# KiCad board haptic display 8x8 aisler.kicad_pcb (continued)
## Routing (per net, layer and track width the routed paths; a pad name or vN(x,y) marks a point on that pad's centre or on a via; arc(x,y) is an arc through that point) (continued)
124.39,84.02 124.7,84.06 125,84.08 125.3,84.07 125.61,84.04 125.91,83.98 126.2,83.91 126.49,83.81 126.78,83.69 127.05,83.55 127.31,83.39 127.56,83.21 127.79,83.01 128.01,82.79 128.21,82.56 128.4,82.32 128.57,82.06 128.71,81.79 128.84,81.51 128.94,81.22 129.03,80.92 129.09,80.62 129.12,80.31 129.14,80 129.13,79.69 129.1,79.38 129.04,79.08 128.97,78.78 128.87,78.48 128.74,78.2 128.6,77.92 128.44,77.66 128.26,77.4 128.05,77.17 127.84,76.94 127.6,76.74 127.35,76.55 127.09,76.38 126.81,76.23 126.53,76.1 126.23,76 125.93,75.91 125.63,75.85 125.31,75.81 125,75.8 124.7,75.81 124.4,75.84 124.11,75.89 123.81,75.96 123.53,76.05 123.25,76.16 122.98,76.3 122.72,76.45 122.47,76.62 122.23,76.8 122.01,77.01 121.8,77.23 121.61,77.46 121.43,77.71 121.28,77.97 121.14,78.24 121.02,78.52 120.92,78.8 120.84,79.1 120.79,79.39 120.75,79.7 120.74,80 120.75,80.3 120.78,80.61 120.83,80.91 120.9,81.2 120.99,81.49 121.11,81.78 121.24,82.05 121.4,82.32 121.57,82.57 121.76,82.81 121.96,83.04 122.19,83.25 122.42,83.44 122.67,83.62 122.94,83.78 123.21,83.92 123.49,84.04 123.78,84.14 124.08,84.22 124.39,84.28 124.69,84.31 125,84.33 125.31,84.32 125.62,84.29 125.92,84.23 126.22,84.16 126.52,84.07 126.8,83.95 127.08,83.81 127.35,83.66 127.61,83.48 127.85,83.29 128.08,83.08 128.29,82.85 128.49,82.61 128.67,82.36 128.83,82.09 128.98,81.82 129.1,81.53 129.2,81.23 129.28,80.93 129.34,80.62 129.37,80.31 129.39,80 129.38,79.69 129.35,79.37 129.3,79.07 129.22,78.76 129.12,78.46 129.01,78.17 128.87,77.89 128.71,77.62 128.53,77.36 128.34,77.11 128.12,76.88 127.9,76.66 127.65,76.46 127.39,76.28 127.12,76.11 126.84,75.97 126.55,75.84 126.25,75.74 125.94,75.66 125.63,75.6 125.32,75.56 125,75.55 124.05,75.55 ; 124.59,63.98 124.63,63.97 125,63.6 125,63.55 124.79,63.56 124.59,63.6 124.39,63.67 124.2,63.76 124.03,63.88 123.88,64.03 123.75,64.19 123.64,64.38 123.56,64.58 123.51,64.79 123.49,65 123.5,65.22 123.54,65.43 123.61,65.64 123.71,65.83 123.84,66.01 123.99,66.17 124.16,66.31 124.35,66.42 124.56,66.5 124.78,66.55 125,66.58 125.22,66.56 125.45,66.52 125.66,66.45 125.86,66.34 126.05,66.21 126.22,66.05 126.36,65.87 126.47,65.67 126.56,65.46 126.62,65.23 126.64,65 126.63,64.77 126.58,64.54 126.51,64.31 126.4,64.1 126.26,63.91 126.09,63.74 125.91,63.59 125.7,63.47 125.48,63.38 125.24,63.32 125,63.3 124.78,63.31 124.56,63.35 124.34,63.41 124.14,63.51 123.95,63.63 123.78,63.78 123.62,63.94 123.49,64.13 123.39,64.33 123.31,64.55 123.26,64.77 123.24,65 123.25,65.23 123.29,65.46 123.36,65.68 123.46,65.89 123.58,66.09 123.73,66.27 123.9,66.43 124.1,66.56 124.31,66.67 124.53,66.75 124.76,66.8 125,66.83 125.24,66.81 125.48,66.77 125.7,66.7 125.92,66.6 126.13,66.47 126.31,66.31 126.48,66.13 126.62,65.93 126.73,65.72 126.81,65.49 126.87,65.25 126.89,65 126.88,64.75 126.83,64.51 126.76,64.27 126.65,64.05 126.52,63.84 126.36,63.64 126.17,63.47 125.96,63.33 125.74,63.21 125.5,63.13 125.25,63.07 125,63.05 124.76,63.06 124.53,63.1 124.3,63.16 124.08,63.26 123.88,63.38 123.69,63.52 123.52,63.68 123.36,63.87 123.24,64.07 123.13,64.29 123.06,64.52 123.01,64.76 122.99,65 123,65.24 123.04,65.48 123.1,65.72 123.2,65.94 123.32,66.16 123.47,66.35 123.64,66.53 123.83,66.69 124.04,66.82 124.27,66.93 124.51,67.01 124.75,67.06 125,67.08 125.25,67.06 125.5,67.02 125.74,66.95 125.97,66.85 126.19,66.73 126.4,66.57 126.58,66.4 126.74,66.2 126.88,65.98 126.99,65.75 127.07,65.51 127.12,65.26 127.14,65 127.13,64.74 127.08,64.49 127.01,64.24 126.91,64 126.78,63.77 126.62,63.56 126.44,63.37 126.24,63.21 126.01,63.07 125.78,62.96 125.52,62.87 125.26,62.82 125,62.8 124.75,62.81 124.51,62.85 124.27,62.91 124.04,63 123.82,63.12 123.61,63.26 123.42,63.42 123.25,63.61 123.1,63.81 122.98,64.03 122.88,64.26 122.8,64.5 122.76,64.75 122.74,65 122.75,65.25 122.79,65.51 122.85,65.75 122.95,65.99 123.07,66.22 123.21,66.43 123.38,66.62 123.57,66.8 123.77,66.95 124,67.08 124.24,67.18 124.48,67.26 124.74,67.31 125,67.33 125.26,67.31 125.52,67.28 125.77,67.21 126.02,67.11 126.25,66.99 126.47,66.84 126.67,66.67 126.85,66.47 127,66.26 127.13,66.03 127.24,65.78 127.32,65.53 127.37,65.27 127.39,65 127.38,64.73 127.34,64.47 127.27,64.21 127.17,63.96 127.04,63.72 126.89,63.49 126.71,63.29 126.51,63.11 126.29,62.94 126.06,62.81 125.8,62.7 125.54,62.62 125.27,62.57 125,62.55 124.74,62.56 124.49,62.6 124.24,62.66 124,62.75 123.76,62.86 123.55,63 123.34,63.16 123.15,63.34 122.99,63.54 122.84,63.75 122.72,63.98 122.62,64.23 122.55,64.48 122.51,64.74 122.49,65 122.5,65.26 122.53,65.52 122.6,65.78 122.69,66.03 122.81,66.27 122.95,66.49 123.11,66.7 123.3,66.89 123.5,67.06 123.72,67.21 123.96,67.34 124.21,67.44 124.47,67.51 124.73,67.56 125,67.58 125.27,67.57 125.54,67.53 125.8,67.46 126.05,67.37 126.3,67.25 126.53,67.1 126.74,66.94 126.94,66.75 127.11,66.54 127.27,66.31 127.39,66.07 127.5,65.81 127.57,65.55 127.62,65.28 127.64,65 127.63,64.72 127.59,64.45 127.52,64.18 127.42,63.92 127.3,63.67 127.15,63.44 126.98,63.22 126.79,63.02 126.57,62.84 126.34,62.68 126.09,62.55 125.83,62.44 125.56,62.37 125.28,62.32 125,62.3 124.73,62.31 124.47,62.34 124.21,62.41 123.96,62.49 123.72,62.6 123.49,62.74 123.27,62.89 123.07,63.07 122.89,63.26 122.72,63.48 122.58,63.71 122.46,63.95 122.37,64.2 122.3,64.46 122.25,64.73 122.24,65 122.25,65.27 122.28,65.54 122.35,65.81 122.43,66.06 122.55,66.31 122.68,66.55 122.84,66.77 123.02,66.98 123.23,67.16 123.44,67.33 123.68,67.47 123.92,67.6 124.18,67.69 124.45,67.76 124.72,67.81 125,67.83 125.28,67.82 125.55,67.78 125.82,67.71 126.09,67.62 126.34,67.51 126.58,67.37 126.81,67.2 127.02,67.02 127.21,66.81 127.38,66.59 127.53,66.35 127.65,66.1 127.75,65.83 127.82,65.56 127.87,65.28 127.89,65 127.88,64.72 127.84,64.44 127.77,64.16 127.68,63.89 127.56,63.63 127.42,63.38 127.25,63.15 127.06,62.94 126.85,62.74 126.63,62.57 126.38,62.42 126.12,62.29 125.85,62.19 125.57,62.11 125.29,62.07 125,62.05 124.73,62.06 124.46,62.09 124.19,62.15 123.93,62.24 123.68,62.34 123.44,62.47 123.21,62.63 122.99,62.8 122.8,62.99 122.62,63.2 122.46,63.43 122.32,63.67 122.2,63.92 122.11,64.18 122.05,64.45 122,64.72 121.99,65 122,65.28 122.03,65.55 122.09,65.83 122.18,66.09 122.29,66.35 122.42,66.6 122.58,66.83 122.75,67.05 122.95,67.25 123.16,67.43 123.39,67.6 123.64,67.74 123.89,67.85 124.16,67.95 124.44,68.02 124.72,68.06 125,68.08 125.28,68.07 125.57,68.03 125.84,67.97 126.12,67.88 126.38,67.77 126.63,67.63 126.87,67.47 127.09,67.29 127.3,67.09 127.48,66.88 127.65,66.64 127.79,66.39 127.91,66.13 128.01,65.86 128.08,65.58 128.12,65.29 128.14,65 128.13,64.71 128.09,64.42 128.03,64.14 127.94,63.86 127.83,63.59 127.69,63.34 127.52,63.09 127.34,62.87 127.14,62.66 126.91,62.47 126.67,62.3 126.42,62.15 126.15,62.03 125.87,61.93 125.59,61.86 125.29,61.82 125,61.8 124.72,61.81 124.44,61.84 124.17,61.9 123.9,61.98 123.64,62.08 123.39,62.21 123.15,62.36 122.93,62.53 122.72,62.72 122.52,62.92 122.35,63.14 122.19,63.38 122.06,63.63 121.95,63.89 121.86,64.16 121.79,64.43 121.75,64.72 121.74,65 121.75,65.28 121.78,65.57 121.84,65.85 121.92,66.12 122.03,66.39 122.16,66.64 122.31,66.89 122.48,67.11 122.67,67.33 122.88,67.53 123.11,67.7 123.35,67.86 123.6,68 123.87,68.11 124.14,68.2 124.42,68.27 124.71,68.31 125,68.33 125.29,68.32 125.58,68.28 125.86,68.22 126.14,68.14 126.41,68.03 126.67,67.9 126.92,67.74 127.16,67.57 127.37,67.37 127.57,67.16 127.75,66.93 127.92,66.68 128.05,66.42 128.17,66.15 128.26,65.87 128.33,65.59 128.37,65.29 128.39,65 128.38,64.7 128.34,64.41 128.28,64.12 128.2,63.84 128.09,63.56 127.95,63.3 127.79,63.04 127.62,62.8 127.42,62.58 127.2,62.38 126.96,62.19 126.71,62.03 126.45,61.89 126.18,61.77 125.89,61.68 125.6,61.61 125.3,61.57 125,61.55 124.71,61.56 124.43,61.59 124.15,61.65 123.88,61.72 123.61,61.83 123.35,61.95 123.1,62.09 122.86,62.26 122.64,62.44 122.44,62.64 122.25,62.86 122.08,63.09 121.93,63.34 121.8,63.6 121.69,63.86 121.6,64.14 121.54,64.42 121.5,64.71 121.49,65 121.5,65.29 121.53,65.58 121.59,65.86 121.67,66.14 121.77,66.42 121.89,66.68 122.04,66.93 122.21,67.17 122.39,67.4 122.6,67.61 122.82,67.8 123.06,67.97 123.31,68.13 123.57,68.26 123.84,68.37 124.12,68.46 124.41,68.52 124.71,68.56 125,68.58 125.3,68.57 125.59,68.53 125.88,68.48 126.17,68.39 126.44,68.29 126.71,68.16 126.97,68.01 127.21,67.84 127.44,67.65 127.65,67.44 127.85,67.22 128.03,66.98 128.18,66.72 128.32,66.45 128.43,66.18 128.52,65.89 128.58,65.6 128.62,65.3 128.64,65 128.63,64.7 128.59,64.4 128.54,64.1 128.45,63.81 128.35,63.53 128.22,63.26 128.06,63 127.89,62.75 127.7,62.52 127.49,62.3 127.26,62.1 127.01,61.92 126.75,61.76 126.48,61.63 126.2,61.51 125.91,61.42 125.61,61.36 125.31,61.32 125,61.3 124.71,61.31 124.42,61.34 124.13,61.39 123.85,61.47 123.58,61.57 123.31,61.69 123.06,61.83 122.81,61.99 122.58,62.17 122.36,62.36 122.16,62.57 121.98,62.8 121.81,63.05 121.66,63.3 121.54,63.57 121.43,63.84 121.35,64.12 121.29,64.41 121.25,64.71 121.24,65 121.25,65.3 121.28,65.59 121.33,65.88 121.41,66.17 121.51,66.45 121.63,66.72 121.77,66.98 121.94,67.23 122.12,67.46 122.32,67.68 122.53,67.89 122.77,68.07 123.01,68.24 123.27,68.39 123.54,68.52 123.82,68.63 124.11,68.71 124.4,68.77 124.7,68.81 125,68.83 125.3,68.82 125.6,68.78 125.9,68.73 126.19,68.65 126.47,68.55 126.75,68.42 127.01,68.28 127.26,68.11 127.5,67.93 127.73,67.73 127.93,67.51 128.12,67.27 128.3,67.02 128.45,66.76 128.58,66.48 128.69,66.2 128.77,65.91 128.83,65.61 128.87,65.3 128.89,65 128.88,64.69 128.85,64.39 128.79,64.09 128.71,63.79 128.61,63.51 128.48,63.23 128.33,62.96 128.17,62.7 127.98,62.46 127.77,62.23 127.55,62.02 127.31,61.82 127.05,61.65 126.78,61.5 126.51,61.37 126.22,61.26 125.92,61.17 125.62,61.1 125.31,61.07 125,61.05 124.7,61.06 124.41,61.09 124.12,61.14 123.83,61.21 123.55,61.31 123.28,61.43 123.01,61.56 122.76,61.72 122.52,61.89 122.29,62.08 122.08,62.29 121.88,62.51 121.7,62.75 121.54,63 121.4,63.27 121.28,63.54 121.18,63.82 121.1,64.11 121.04,64.4 121,64.7 120.99,65 121,65.3 121.03,65.6 121.08,65.89 121.15,66.19 121.25,66.47 121.37,66.75 121.51,67.02 121.67,67.27 121.84,67.52 122.04,67.75 122.25,67.97 122.48,68.17 122.72,68.35 122.97,68.51 123.24,68.66 123.52,68.78 123.8,68.88 124.1,68.96 124.39,69.02 124.7,69.06 125,69.08 125.3,69.07 125.61,69.04 125.91,68.98 126.2,68.91 126.49,68.81 126.78,68.69 127.05,68.55 127.31,68.39 127.56,68.21 127.79,68.01 128.01,67.79 128.21,67.56 128.4,67.32 128.57,67.06 128.71,66.79 128.84,66.51 128.94,66.22 129.03,65.92 129.09,65.62 129.12,65.31 129.14,65 129.13,64.69 129.1,64.38 129.04,64.08 128.97,63.78 128.87,63.48 128.74,63.2 128.6,62.92 128.44,62.66 128.26,62.4 128.05,62.17 127.84,61.94 127.6,61.74 127.35,61.55 127.09,61.38 126.81,61.23 126.53,61.1 126.23,61 125.93,60.91 125.63,60.85 125.31,60.81 125,60.8 124.7,60.81 124.4,60.84 124.11,60.89 123.81,60.96 123.53,61.05 123.25,61.16 122.98,61.3 122.72,61.45 122.47,61.62 122.23,61.8 122.01,62.01 121.8,62.23 121.61,62.46 121.43,62.71 121.28,62.97 121.14,63.24 121.02,63.52 120.92,63.8 120.84,64.1 120.79,64.39 120.75,64.7 120.74,65 120.75,65.3 120.78,65.61 120.83,65.91 120.9,66.2 120.99,66.49 121.11,66.78 121.24,67.05 121.4,67.32 121.57,67.57 121.76,67.81 121.96,68.04 122.19,68.25 122.42,68.44 122.67,68.62 122.94,68.78 123.21,68.92 123.49,69.04 123.78,69.14 124.08,69.22 124.39,69.28 124.69,69.31 125,69.33 125.31,69.32 125.62,69.29 125.92,69.23 126.22,69.16 126.52,69.07 126.8,68.95 127.08,68.81 127.35,68.66 127.61,68.48 127.85,68.29 128.08,68.08 128.29,67.85 128.49,67.61 128.67,67.36 128.83,67.09 128.98,66.82 129.1,66.53 129.2,66.23 129.28,65.93 129.34,65.62 129.37,65.31 129.39,65 129.38,64.69 129.35,64.37 129.3,64.07 129.22,63.76 129.12,63.46 129.01,63.17 128.87,62.89 128.71,62.62 128.53,62.36 128.34,62.11 128.12,61.88 127.9,61.66 127.65,61.46 127.39,61.28 127.12,61.11 126.84,60.97 126.55,60.84 126.25,60.74 125.94,60.66 125.63,60.6 125.32,60.56 125,60.55 124.05,60.55 ; 124.59,48.98 124.63,48.97 125,48.6 125,48.55 124.79,48.56 124.59,48.6 124.39,48.67 124.2,48.76 124.03,48.88 123.88,49.03 123.75,49.19 123.64,49.38 123.56,49.58 123.51,49.79 123.49,50 123.5,50.22 123.54,50.43 123.61,50.64 123.71,50.83 123.84,51.01 123.99,51.17 124.16,51.31 124.35,51.42 124.56,51.5 124.78,51.55 125,51.58 125.22,51.56 125.45,51.52 125.66,51.45 125.86,51.34 126.05,51.21 126.22,51.05 126.36,50.87 126.47,50.67 126.56,50.46 126.62,50.23 126.64,50 126.63,49.77 126.58,49.54 126.51,49.31 126.4,49.1 126.26,48.91 126.09,48.74 125.91,48.59 125.7,48.47 125.48,48.38 125.24,48.32 125,48.3 124.78,48.31 124.56,48.35 124.34,48.41 124.14,48.51 123.95,48.63 123.78,48.78 123.62,48.94 123.49,49.13 123.39,49.33 123.31,49.55 123.26,49.77 123.24,50 123.25,50.23 123.29,50.46 123.36,50.68 123.46,50.89 123.58,51.09 123.73,51.27 123.9,51.43 124.1,51.56 124.31,51.67 124.53,51.75 124.76,51.8 125,51.83 125.24,51.81 125.48,51.77 125.7,51.7 125.92,51.6 126.13,51.47 126.31,51.31 126.48,51.13 126.62,50.93 126.73,50.72 126.81,50.49 126.87,50.25 126.89,50 126.88,49.75 126.83,49.51 126.76,49.27 126.65,49.05 126.52,48.84 126.36,48.64 126.17,48.47 125.96,48.33 125.74,48.21 125.5,48.13 125.25,48.07 125,48.05 124.76,48.06 124.53,48.1 124.3,48.16 124.08,48.26 123.88,48.38 123.69,48.52 123.52,48.68 123.36,48.87 123.24,49.07 123.13,49.29 123.06,49.52 123.01,49.76 122.99,50 123,50.24 123.04,50.48 123.1,50.72 123.2,50.94 123.32,51.16 123.47,51.35 123.64,51.53 123.83,51.69 124.04,51.82 124.27,51.93 124.51,52.01 124.75,52.06 125,52.08 125.25,52.06 125.5,52.02 125.74,51.95 125.97,51.85 126.19,51.73 126.4,51.57 126.58,51.4 126.74,51.2 126.88,50.98 126.99,50.75 127.07,50.51 127.12,50.26 127.14,50 127.13,49.74 127.08,49.49 127.01,49.24 126.91,49 126.78,48.77 126.62,48.56 126.44,48.37 126.24,48.21 126.01,48.07 125.78,47.96 125.52,47.87 125.26,47.82 125,47.8 124.75,47.81 124.51,47.85 124.27,47.91 124.04,48 123.82,48.12 123.61,48.26 123.42,48.42 123.25,48.61 123.1,48.81 122.98,49.03 122.88,49.26 122.8,49.5 122.76,49.75 122.74,50 122.75,50.25 122.79,50.51 122.85,50.75 122.95,50.99 123.07,51.22 123.21,51.43 123.38,51.62 123.57,51.8 123.77,51.95 124,52.08 124.24,52.18 124.48,52.26 124.74,52.31 125,52.33 125.26,52.31 125.52,52.28 125.77,52.21 126.02,52.11 126.25,51.99 126.47,51.84 126.67,51.67 126.85,51.47 127,51.26 127.13,51.03 127.24,50.78 127.32,50.53 127.37,50.27 127.39,50 127.38,49.73 127.34,49.47 127.27,49.21 127.17,48.96 127.04,48.72 126.89,48.49 126.71,48.29 126.51,48.11 126.29,47.94 126.06,47.81 125.8,47.7 125.54,47.62 125.27,47.57 125,47.55 124.74,47.56 124.49,47.6 124.24,47.66 124,47.75 123.76,47.86 123.55,48 123.34,48.16 123.15,48.34 122.99,48.54 122.84,48.75 122.72,48.98 122.62,49.23 122.55,49.48 122.51,49.74 122.49,50 122.5,50.26 122.53,50.52 122.6,50.78 122.69,51.03 122.81,51.27 122.95,51.49 123.11,51.7 123.3,51.89 123.5,52.06 123.72,52.21 123.96,52.34 124.21,52.44 124.47,52.51 124.73,52.56 125,52.58 125.27,52.57 125.54,52.53 125.8,52.46 126.05,52.37 126.3,52.25 126.53,52.1 126.74,51.94 126.94,51.75 127.11,51.54 127.27,51.31 127.39,51.07 127.5,50.81 127.57,50.55 127.62,50.28 127.64,50 127.63,49.72 127.59,49.45 127.52,49.18 127.42,48.92 127.3,48.67 127.15,48.44 126.98,48.22 126.79,48.02 126.57,47.84 126.34,47.68 126.09,47.55 125.83,47.44 125.56,47.37 125.28,47.32 125,47.3 124.73,47.31 124.47,47.34 124.21,47.41 123.96,47.49 123.72,47.6 123.49,47.74 123.27,47.89 123.07,48.07 122.89,48.26 122.72,48.48 122.58,48.71 122.46,48.95 122.37,49.2 122.3,49.46 122.25,49.73 122.24,50 122.25,50.27 122.28,50.54 122.35,50.81 122.43,51.06 122.55,51.31 122.68,51.55 122.84,51.77 123.02,51.98 123.23,52.16 123.44,52.33 123.68,52.47 123.92,52.6 124.18,52.69 124.45,52.76 124.72,52.81 125,52.83 125.28,52.82 125.55,52.78 125.82,52.71 126.09,52.62 126.34,52.51 126.58,52.37 126.81,52.2 127.02,52.02 127.21,51.81 127.38,51.59 127.53,51.35 127.65,51.1 127.75,50.83 127.82,50.56 127.87,50.28 127.89,50 127.88,49.72 127.84,49.44 127.77,49.16 127.68,48.89 127.56,48.63 127.42,48.38 127.25,48.15 127.06,47.94 126.85,47.74 126.63,47.57 126.38,47.42 126.12,47.29 125.85,47.19 125.57,47.11 125.29,47.07 125,47.05 124.73,47.06 124.46,47.09 124.19,47.15 123.93,47.24 123.68,47.34 123.44,47.47 123.21,47.63 122.99,47.8 122.8,47.99 122.62,48.2 122.46,48.43 122.32,48.67 122.2,48.92 122.11,49.18 122.05,49.45 122,49.72 121.99,50 122,50.28 122.03,50.55 122.09,50.83 122.18,51.09 122.29,51.35 122.42,51.6 122.58,51.83 122.75,52.05 122.95,52.25 123.16,52.43 123.39,52.6 123.64,52.74 123.89,52.85 124.16,52.95 124.44,53.02 124.72,53.06 125,53.08 125.28,53.07 125.57,53.03 125.84,52.97 126.12,52.88 126.38,52.77 126.63,52.63 126.87,52.47 127.09,52.29 127.3,52.09 127.48,51.88 127.65,51.64 127.79,51.39 127.91,51.13 128.01,50.86 128.08,50.58 128.12,50.29 128.14,50 128.13,49.71 128.09,49.42 128.03,49.14 127.94,48.86 127.83,48.59 127.69,48.34 127.52,48.09 127.34,47.87 127.14,47.66 126.91,47.47 126.67,47.3 126.42,47.15 126.15,47.03 125.87,46.93 125.59,46.86 125.29,46.82 125,46.8 124.72,46.81 124.44,46.84 124.17,46.9 123.9,46.98 123.64,47.08 123.39,47.21 123.15,47.36 122.93,47.53 122.72,47.72 122.52,47.92 122.35,48.14 122.19,48.38 122.06,48.63 121.95,48.89 121.86,49.16 121.79,49.43 121.75,49.72 121.74,50 121.75,50.28 121.78,50.57 121.84,50.85 121.92,51.12 122.03,51.39 122.16,51.64 122.31,51.89 122.48,52.11 122.67,52.33 122.88,52.53 123.11,52.7 123.35,52.86 123.6,53 123.87,53.11 124.14,53.2 124.42,53.27 124.71,53.31 125,53.33 125.29,53.32 125.58,53.28 125.86,53.22 126.14,53.14 126.41,53.03 126.67,52.9 126.92,52.74 127.16,52.57 127.37,52.37 127.57,52.16 127.75,51.93 127.92,51.68 128.05,51.42 128.17,51.15 128.26,50.87 128.33,50.59 128.37,50.29 128.39,50 128.38,49.7 128.34,49.41 128.28,49.12 128.2,48.84 128.09,48.56 127.95,48.3 127.79,48.04 127.62,47.8 127.42,47.58 127.2,47.38 126.96,47.19 126.71,47.03 126.45,46.89 126.18,46.77 125.89,46.68 125.6,46.61 125.3,46.57 125,46.55 124.71,46.56 124.43,46.59 124.15,46.65 123.88,46.72 123.61,46.83 123.35,46.95 123.1,47.09 122.86,47.26 122.64,47.44 122.44,47.64 122.25,47.86 122.08,48.09 121.93,48.34 121.8,48.6 121.69,48.86 121.6,49.14 121.54,49.42 121.5,49.71 121.49,50 121.5,50.29 121.53,50.58 121.59,50.86 121.67,51.14 121.77,51.42 121.89,51.68 122.04,51.93 122.21,52.17 122.39,52.4 122.6,52.61 122.82,52.8 123.06,52.97 123.31,53.13 123.57,53.26 123.84,53.37 124.12,53.46 124.41,53.52 124.71,53.56 125,53.58 125.3,53.57 125.59,53.53 125.88,53.48 126.17,53.39 126.44,53.29 126.71,53.16 126.97,53.01 127.21,52.84 127.44,52.65 127.65,52.44 127.85,52.22 128.03,51.98 128.18,51.72 128.32,51.45 128.43,51.18 128.52,50.89 128.58,50.6 128.62,50.3 128.64,50 128.63,49.7 128.59,49.4 128.54,49.1 128.45,48.81 128.35,48.53 128.22,48.26 128.06,48 127.89,47.75 127.7,47.52 127.49,47.3 127.26,47.1 127.01,46.92 126.75,46.76 126.48,46.63 126.2,46.51 125.91,46.42 125.61,46.36 125.31,46.32 125,46.3 124.71,46.31 124.42,46.34 124.13,46.39 123.85,46.47 123.58,46.57 123.31,46.69 123.06,46.83 122.81,46.99 122.58,47.17 122.36,47.36 122.16,47.57 121.98,47.8 121.81,48.05 121.66,48.3 121.54,48.57 121.43,48.84 121.35,49.12 121.29,49.41 121.25,49.71 121.24,50 121.25,50.3 121.28,50.59 121.33,50.88 121.41,51.17 121.51,51.45 121.63,51.72 121.77,51.98 121.94,52.23 122.12,52.46 122.32,52.68 122.53,52.89 122.77,53.07 123.01,53.24 123.27,53.39 123.54,53.52 123.82,53.63 124.11,53.71 124.4,53.77 124.7,53.81 125,53.83 125.3,53.82 125.6,53.78 125.9,53.73 126.19,53.65 126.47,53.55 126.75,53.42 127.01,53.28 127.26,53.11 127.5,52.93 127.73,52.73 127.93,52.51 128.12,52.27 128.3,52.02 128.45,51.76 128.58,51.48 128.69,51.2 128.77,50.91 128.83,50.61 128.87,50.3 128.89,50 128.88,49.69 128.85,49.39 128.79,49.09 128.71,48.79 128.61,48.51 128.48,48.23 128.33,47.96 128.17,47.7 127.98,47.46 127.77,47.23 127.55,47.02 127.31,46.82 127.05,46.65 126.78,46.5 126.51,46.37 126.22,46.26 125.92,46.17 125.62,46.1 125.31,46.07 125,46.05 124.7,46.06 124.41,46.09 124.12,46.14 123.83,46.21 123.55,46.31 123.28,46.43 123.01,46.56 122.76,46.72 122.52,46.89 122.29,47.08 122.08,47.29 121.88,47.51 121.7,47.75 121.54,48 121.4,48.27 121.28,48.54 121.18,48.82 121.1,49.11 121.04,49.4 121,49.7 120.99,50 121,50.3 121.03,50.6 121.08,50.89 121.15,51.19 121.25,51.47 121.37,51.75 121.51,52.02 121.67,52.27 121.84,52.52 122.04,52.75 122.25,52.97 122.48,53.17 122.72,53.35 122.97,53.51 123.24,53.66 123.52,53.78 123.8,53.88 124.1,53.96 124.39,54.02 124.7,54.06 125,54.08 125.3,54.07 125.61,54.04 125.91,53.98 126.2,53.91 126.49,53.81 126.78,53.69 127.05,53.55 127.31,53.39 127.56,53.21 127.79,53.01 128.01,52.79 128.21,52.56 128.4,52.32 128.57,52.06 128.71,51.79 128.84,51.51 128.94,51.22 129.03,50.92 129.09,50.62 129.12,50.31 129.14,50 129.13,49.69 129.1,49.38 129.04,49.08 128.97,48.78 128.87,48.48 128.74,48.2 128.6,47.92 128.44,47.66 128.26,47.4 128.05,47.17 127.84,46.94 127.6,46.74 127.35,46.55 127.09,46.38 126.81,46.23 126.53,46.1 126.23,46 125.93,45.91 125.63,45.85 125.31,45.81 125,45.8 124.7,45.81 124.4,45.84 124.11,45.89 123.81,45.96 123.53,46.05 123.25,46.16 122.98,46.3 122.72,46.45 122.47,46.62 122.23,46.8 122.01,47.01 121.8,47.23 121.61,47.46 121.43,47.71 121.28,47.97 121.14,48.24 121.02,48.52 120.92,48.8 120.84,49.1 120.79,49.39 120.75,49.7 120.74,50 120.75,50.3 120.78,50.61 120.83,50.91 120.9,51.2 120.99,51.49 121.11,51.78 121.24,52.05 121.4,52.32 121.57,52.57 121.76,52.81 121.96,53.04 122.19,53.25 122.42,53.44 122.67,53.62 122.94,53.78 123.21,53.92 123.49,54.04 123.78,54.14 124.08,54.22 124.39,54.28 124.69,54.31 125,54.33 125.31,54.32 125.62,54.29 125.92,54.23 126.22,54.16 126.52,54.07 126.8,53.95 127.08,53.81 127.35,53.66 127.61,53.48 127.85,53.29 128.08,53.08 128.29,52.85 128.49,52.61 128.67,52.36 128.83,52.09 128.98,51.82 129.1,51.53 129.2,51.23 129.28,50.93 129.34,50.62 129.37,50.31 129.39,50 129.38,49.69 129.35,49.37 129.3,49.07 129.22,48.76 129.12,48.46 129.01,48.17 128.87,47.89 128.71,47.62 128.53,47.36 128.34,47.11 128.12,46.88 127.9,46.66 127.65,46.46 127.39,46.28 127.12,46.11 126.84,45.97 126.55,45.84 126.25,45.74 125.94,45.66 125.63,45.6 125.32,45.56 125,45.55 124.05,45.55 ; 124.59,33.98 124.63,33.97 125,33.6 125,33.55 124.79,33.56 124.59,33.6 124.39,33.67 124.2,33.76 124.03,33.88 123.88,34.03 123.75,34.19 123.64,34.38 123.56,34.58 123.51,34.79 123.49,35 123.5,35.22 123.54,35.43 123.61,35.64 123.71,35.83 123.84,36.01 123.99,36.17 124.16,36.31 124.35,36.42 124.56,36.5 124.78,36.55 125,36.57 125.22,36.56 125.45,36.52 125.66,36.45 125.86,36.34 126.05,36.21 126.22,36.05 126.36,35.87 126.47,35.67 126.56,35.46 126.62,35.23 126.64,35 126.63,34.77 126.58,34.54 126.51,34.31 126.4,34.1 126.26,33.91 126.09,33.74 125.91,33.59 125.7,33.47 125.48,33.38 125.24,33.32 125,33.3 124.78,33.31 124.56,33.35 124.34,33.41 124.14,33.51 123.95,33.63 123.78,33.78 123.62,33.94 123.49,34.13 123.39,34.33 123.31,34.55 123.26,34.77 123.24,35 123.25,35.23 123.29,35.46 123.36,35.68 123.46,35.89 123.58,36.09 123.73,36.27 123.9,36.43 124.1,36.56 124.31,36.67 124.53,36.75 124.76,36.8 125,36.82 125.24,36.81 125.48,36.77 125.7,36.7 125.92,36.6 126.13,36.47 126.31,36.31 126.48,36.13 126.62,35.93 126.73,35.72 126.81,35.49 126.87,35.25 126.89,35 126.88,34.75 126.83,34.51 126.76,34.27 126.65,34.05 126.52,33.84 126.36,33.64 126.17,33.47 125.96,33.33 125.74,33.21 125.5,33.13 125.25,33.07 125,33.05 124.76,33.06 124.53,33.1 124.3,33.16 124.08,33.26 123.88,33.38 123.69,33.52 123.52,33.68 123.36,33.87 123.24,34.07 123.13,34.29 123.06,34.52 123.01,34.76 122.99,35 123,35.24 123.04,35.48 123.1,35.72 123.2,35.94 123.32,36.16 123.47,36.35 123.64,36.53 123.83,36.69 124.04,36.82 124.27,36.93 124.51,37.01 124.75,37.06 125,37.07 125.25,37.06 125.5,37.02 125.74,36.95 125.97,36.85 126.19,36.73 126.4,36.57 126.58,36.4 126.74,36.2 126.88,35.98 126.99,35.75 127.07,35.51 127.12,35.26 127.14,35 127.13,34.74 127.08,34.49 127.01,34.24 126.91,34 126.78,33.77 126.62,33.56 126.44,33.37 126.24,33.21 126.01,33.07 125.78,32.96 125.52,32.87 125.26,32.82 125,32.8 124.75,32.81 124.51,32.85 124.27,32.91 124.04,33 123.82,33.12 123.61,33.26 123.42,33.42 123.25,33.61 123.1,33.81 122.98,34.03 122.88,34.26 122.8,34.5 122.76,34.75 122.74,35 122.75,35.25 122.79,35.51 122.85,35.75 122.95,35.99 123.07,36.22 123.21,36.43 123.38,36.62 123.57,36.8 123.77,36.95 124,37.08 124.24,37.18 124.48,37.26 124.74,37.31 125,37.32 125.26,37.31 125.52,37.28 125.77,37.21 126.02,37.11 126.25,36.99 126.47,36.84 126.67,36.67 126.85,36.47 127,36.26 127.13,36.03 127.24,35.78 127.32,35.53 127.37,35.27 127.39,35 127.38,34.73 127.34,34.47 127.27,34.21 127.17,33.96 127.04,33.72 126.89,33.49 126.71,33.29 126.51,33.11 126.29,32.94 126.06,32.81 125.8,32.7 125.54,32.62 125.27,32.57 125,32.55 124.74,32.56 124.49,32.6 124.24,32.66 124,32.75 123.76,32.86 123.55,33 123.34,33.16 123.15,33.34 122.99,33.54 122.84,33.75 122.72,33.98 122.62,34.23 122.55,34.48 122.51,34.74 122.49,35 122.5,35.26 122.53,35.52 122.6,35.78 122.69,36.03 122.81,36.27 122.95,36.49 123.11,36.7 123.3,36.89 123.5,37.06 123.72,37.21 123.96,37.34 124.21,37.44 124.47,37.51 124.73,37.56 125,37.57 125.27,37.57 125.54,37.53 125.8,37.46 126.05,37.37 126.3,37.25 126.53,37.1 126.74,36.94 126.94,36.75 127.11,36.54 127.27,36.31 127.39,36.07 127.5,35.81 127.57,35.55 127.62,35.28 127.64,35 127.63,34.72 127.59,34.45 127.52,34.18 127.42,33.92 127.3,33.67 127.15,33.44 126.98,33.22 126.79,33.02 126.57,32.84 126.34,32.68 126.09,32.55 125.83,32.44 125.56,32.37 125.28,32.32 125,32.3 124.73,32.31 124.47,32.34 124.21,32.41 123.96,32.49 123.72,32.6 123.49,32.74 123.27,32.89 123.07,33.07 122.89,33.26 122.72,33.48 122.58,33.71 122.46,33.95 122.37,34.2 122.3,34.46 122.25,34.73 122.24,35 122.25,35.27 122.28,35.54 122.35,35.81 122.43,36.06 122.55,36.31 122.68,36.55 122.84,36.77 123.02,36.98 123.23,37.16 123.44,37.33 123.68,37.47 123.92,37.6 124.18,37.69 124.45,37.76 124.72,37.81 125,37.82 125.28,37.82 125.55,37.78 125.82,37.71 126.09,37.62 126.34,37.51 126.58,37.37 126.81,37.2 127.02,37.02 127.21,36.81 127.38,36.59 127.53,36.35 127.65,36.1 127.75,35.83 127.82,35.56 127.87,35.28 127.89,35 127.88,34.72 127.84,34.44 127.77,34.16 127.68,33.89 127.56,33.63 127.42,33.38 127.25,33.15 127.06,32.94 126.85,32.74 126.63,32.57 126.38,32.42 126.12,32.29 125.85,32.19 125.57,32.11 125.29,32.07 125,32.05 124.73,32.06 124.46,32.09 124.19,32.15 123.93,32.24 123.68,32.34 123.44,32.47 123.21,32.63 122.99,32.8 122.8,32.99 122.62,33.2 122.46,33.43 122.32,33.67 122.2,33.92 122.11,34.18 122.05,34.45 122,34.72 121.99,35 122,35.28 122.03,35.55 122.09,35.83 122.18,36.09 122.29,36.35 122.42,36.6 122.58,36.83 122.75,37.05 122.95,37.25 123.16,37.43 123.39,37.6 123.64,37.74 123.89,37.85 124.16,37.95 124.44,38.02 124.72,38.06 125,38.07 125.28,38.07 125.57,38.03 125.84,37.97 126.12,37.88 126.38,37.77 126.63,37.63 126.87,37.47 127.09,37.29 127.3,37.09 127.48,36.88 127.65,36.64 127.79,36.39 127.91,36.13 128.01,35.86 128.08,35.58 128.12,35.29 128.14,35 128.13,34.71 128.09,34.42 128.03,34.14 127.94,33.86 127.83,33.59 127.69,33.34 127.52,33.09 127.34,32.87 127.14,32.66 126.91,32.47 126.67,32.3 126.42,32.15 126.15,32.03 125.87,31.93 125.59,31.86 125.29,31.82 125,31.8 124.72,31.81 124.44,31.84 124.17,31.9 123.9,31.98 123.64,32.08 123.39,32.21 123.15,32.36 122.93,32.53 122.72,32.72 122.52,32.92 122.35,33.14 122.19,33.38 122.06,33.63 121.95,33.89 121.86,34.16 121.79,34.43 121.75,34.72 121.74,35 121.75,35.28 121.78,35.57 121.84,35.85 121.92,36.12 122.03,36.39 122.16,36.64 122.31,36.89 122.48,37.11 122.67,37.33 122.88,37.53 123.11,37.7 123.35,37.86 123.6,38 123.87,38.11 124.14,38.2 124.42,38.27 124.71,38.31 125,38.32 125.29,38.32 125.58,38.28 125.86,38.22 126.14,38.14 126.41,38.03 126.67,37.9 126.92,37.74 127.16,37.57 127.37,37.37 127.57,37.16 127.75,36.93 127.92,36.68 128.05,36.42 128.17,36.15 128.26,35.87 128.33,35.59 128.37,35.29 128.39,35 128.38,34.7 128.34,34.41 128.28,34.12 128.2,33.84 128.09,33.56 127.95,33.3 127.79,33.04 127.62,32.8 127.42,32.58 127.2,32.38 126.96,32.19 126.71,32.03 126.45,31.89 126.18,31.77 125.89,31.68 125.6,31.61 125.3,31.57 125,31.55 124.71,31.56 124.43,31.59 124.15,31.65 123.88,31.72 123.61,31.83 123.35,31.95 123.1,32.09 122.86,32.26 122.64,32.44 122.44,32.64 122.25,32.86 122.08,33.09 121.93,33.34 121.8,33.6 121.69,33.86 121.6,34.14 121.54,34.42 121.5,34.71 121.49,35 121.5,35.29 121.53,35.58 121.59,35.86 121.67,36.14 121.77,36.42 121.89,36.68 122.04,36.93 122.21,37.17 122.39,37.4 122.6,37.61 122.82,37.8 123.06,37.97 123.31,38.13 123.57,38.26 123.84,38.37 124.12,38.46 124.41,38.52 124.71,38.56 125,38.57 125.3,38.57 125.59,38.53 125.88,38.48 126.17,38.39 126.44,38.29 126.71,38.16 126.97,38.01 127.21,37.84 127.44,37.65 127.65,37.44 127.85,37.22 128.03,36.98 128.18,36.72 128.32,36.45 128.43,36.18 128.52,35.89 128.58,35.6 128.62,35.3 128.64,35 128.63,34.7 128.59,34.4 128.54,34.1 128.45,33.81 128.35,33.53 128.22,33.26 128.06,33 127.89,32.75 127.7,32.52 127.49,32.3 127.26,32.1 127.01,31.92 126.75,31.76 126.48,31.63 126.2,31.51 125.91,31.42 125.61,31.36 125.31,31.32 125,31.3 124.71,31.31 124.42,31.34 124.13,31.39 123.85,31.47 123.58,31.57 123.31,31.69 123.06,31.83 122.81,31.99 122.58,32.17 122.36,32.36 122.16,32.57 121.98,32.8 121.81,33.05 121.66,33.3 121.54,33.57 121.43,33.84 121.35,34.12 121.29,34.41 121.25,34.71 121.24,35 121.25,35.3 121.28,35.59 121.33,35.88 121.41,36.17 121.51,36.45 121.63,36.72 121.77,36.98 121.94,37.23 122.12,37.46 122.32,37.68 122.53,37.89 122.77,38.07 123.01,38.24 123.27,38.39 123.54,38.52 123.82,38.63 124.11,38.71 124.4,38.77 124.7,38.81 125,38.82 125.3,38.82 125.6,38.78 125.9,38.73 126.19,38.65 126.47,38.55 126.75,38.42 127.01,38.28 127.26,38.11 127.5,37.93 127.73,37.73 127.93,37.51 128.12,37.27 128.3,37.02 128.45,36.76 128.58,36.48 128.69,36.2 128.77,35.91 128.83,35.61 128.87,35.3 128.89,35 128.88,34.69 128.85,34.39 128.79,34.09 128.71,33.79 128.61,33.51 128.48,33.23 128.33,32.96 128.17,32.7 127.98,32.46 127.77,32.23 127.55,32.02 127.31,31.82 127.05,31.65 126.78,31.5 126.51,31.37 126.22,31.26 125.92,31.17 125.62,31.1 125.31,31.07 125,31.05 124.7,31.06 124.41,31.09 124.12,31.14 123.83,31.21 123.55,31.31 123.28,31.43 123.01,31.56 122.76,31.72 122.52,31.89 122.29,32.08 122.08,32.29 121.88,32.51 121.7,32.75 121.54,33 121.4,33.27 121.28,33.54 121.18,33.82 121.1,34.11 121.04,34.4 121,34.7 120.99,35 121,35.3 121.03,35.6 121.08,35.89 121.15,36.19 121.25,36.47 121.37,36.75 121.51,37.02 121.67,37.27 121.84,37.52 122.04,37.75 122.25,37.97 122.48,38.17 122.72,38.35 122.97,38.51 123.24,38.66 123.52,38.78 123.8,38.88 124.1,38.96 124.39,39.02 124.7,39.06 125,39.07 125.3,39.07 125.61,39.04 125.91,38.98 126.2,38.91 126.49,38.81 126.78,38.69 127.05,38.55 127.31,38.39 127.56,38.21 127.79,38.01 128.01,37.79 128.21,37.56 128.4,37.32 128.57,37.06 128.71,36.79 128.84,36.51 128.94,36.22 129.03,35.92 129.09,35.62 129.12,35.31 129.14,35 129.13,34.69 129.1,34.38 129.04,34.08 128.97,33.78 128.87,33.48 128.74,33.2 128.6,32.92 128.44,32.66 128.26,32.4 128.05,32.17 127.84,31.94 127.6,31.74 127.35,31.55 127.09,31.38 126.81,31.23 126.53,31.1 126.23,31 125.93,30.91 125.63,30.85 125.31,30.81 125,30.8 124.7,30.81 124.4,30.84 124.11,30.89 123.81,30.96 123.53,31.05 123.25,31.16 122.98,31.3 122.72,31.45 122.47,31.62 122.23,31.8 122.01,32.01 121.8,32.23 121.61,32.46 121.43,32.71 121.28,32.97 121.14,33.24 121.02,33.52 120.92,33.8 120.84,34.1 120.79,34.39 120.75,34.7 120.74,35 120.75,35.3 120.78,35.61 120.83,35.91 120.9,36.2 120.99,36.49 121.11,36.78 121.24,37.05 121.4,37.32 121.57,37.57 121.76,37.81 121.96,38.04 122.19,38.25 122.42,38.44 122.67,38.62 122.94,38.78 123.21,38.92 123.49,39.04 123.78,39.14 124.08,39.22 124.39,39.28 124.69,39.31 125,39.32 125.31,39.32 125.62,39.29 125.92,39.23 126.22,39.16 126.52,39.07 126.8,38.95 127.08,38.81 127.35,38.66 127.61,38.48 127.85,38.29 128.08,38.08 128.29,37.85 128.49,37.61 128.67,37.36 128.83,37.09 128.98,36.82 129.1,36.53 129.2,36.23 129.28,35.93 129.34,35.62 129.37,35.31 129.39,35 129.38,34.69 129.35,34.37 129.3,34.07 129.22,33.76 129.12,33.46 129.01,33.17 128.87,32.89 128.71,32.62 128.53,32.36 128.34,32.11 128.12,31.88 127.9,31.66 127.65,31.46 127.39,31.28 127.12,31.11 126.84,30.97 126.55,30.84 126.25,30.74 125.94,30.66 125.63,30.6 125.32,30.56 125,30.55 124.05,30.55 ; 124.59,18.98 124.63,18.97 125,18.6 125,18.55 124.79,18.56 124.59,18.6 124.39,18.67 124.2,18.76 124.03,18.88 123.88,19.03 123.75,19.19 123.64,19.38 123.56,19.58 123.51,19.79 123.49,20 123.5,20.22 123.54,20.43 123.61,20.64 123.71,20.83 123.84,21.01 123.99,21.17 124.16,21.31 124.35,21.42 124.56,21.5 124.78,21.55 125,21.57 125.22,21.56 125.45,21.52 125.66,21.45 125.86,21.34 126.05,21.21 126.22,21.05 126.36,20.87 126.47,20.67 126.56,20.46 126.62,20.23 126.64,20 126.63,19.77 126.58,19.54 126.51,19.31 126.4,19.1 126.26,18.91 126.09,18.74 125.91,18.59 125.7,18.47 125.48,18.38 125.24,18.32 125,18.3 124.78,18.31 124.56,18.35 124.34,18.41 124.14,18.51 123.95,18.63 123.78,18.78 123.62,18.94 123.49,19.13 123.39,19.33 123.31,19.55 123.26,19.77 123.24,20 123.25,20.23 123.29,20.46 123.36,20.68 123.46,20.89 123.58,21.09 123.73,21.27 123.9,21.43 124.1,21.56 124.31,21.67 124.53,21.75 124.76,21.8 125,21.82 125.24,21.81 125.48,21.77 125.7,21.7 125.92,21.6 126.13,21.47 126.31,21.31 126.48,21.13 126.62,20.93 126.73,20.72 126.81,20.49 126.87,20.25 126.89,20 126.88,19.75 126.83,19.51 126.76,19.27 126.65,19.05 126.52,18.84 126.36,18.64 126.17,18.47 125.96,18.33 125.74,18.21 125.5,18.13 125.25,18.07 125,18.05 124.76,18.06 124.53,18.1 124.3,18.16 124.08,18.26 123.88,18.38 123.69,18.52 123.52,18.68 123.36,18.87 123.24,19.07 123.13,19.29 123.06,19.52 123.01,19.76 122.99,20 123,20.24 123.04,20.48 123.1,20.72 123.2,20.94 123.32,21.16 123.47,21.35 123.64,21.53 123.83,21.69 124.04,21.82 124.27,21.93 124.51,22.01 124.75,22.06 125,22.07 125.25,22.06 125.5,22.02 125.74,21.95 125.97,21.85 126.19,21.73 126.4,21.57 126.58,21.4 126.74,21.2 126.88,20.98 126.99,20.75 127.07,20.51 127.12,20.26 127.14,20 127.13,19.74 127.08,19.49 127.01,19.24 126.91,19 126.78,18.77 126.62,18.56 126.44,18.37 126.24,18.21 126.01,18.07 125.78,17.96 125.52,17.87 125.26,17.82 125,17.8 124.75,17.81 124.51,17.85 124.27,17.91 124.04,18 123.82,18.12 123.61,18.26 123.42,18.42 123.25,18.61 123.1,18.81 122.98,19.03 122.88,19.26 122.8,19.5 122.76,19.75 122.74,20 122.75,20.25 122.79,20.51 122.85,20.75 122.95,20.99 123.07,21.22 123.21,21.43 123.38,21.62 123.57,21.8 123.77,21.95 124,22.08 124.24,22.18 124.48,22.26 124.74,22.31 125,22.32 125.26,22.31 125.52,22.28 125.77,22.21 126.02,22.11 126.25,21.99 126.47,21.84 126.67,21.67 126.85,21.47 127,21.26 127.13,21.03 127.24,20.78 127.32,20.53 127.37,20.27 127.39,20 127.38,19.73 127.34,19.47 127.27,19.21 127.17,18.96 127.04,18.72 126.89,18.49 126.71,18.29 126.51,18.11 126.29,17.94 126.06,17.81 125.8,17.7 125.54,17.62 125.27,17.57 125,17.55 124.74,17.56 124.49,17.6 124.24,17.66 124,17.75 123.76,17.86 123.55,18 123.34,18.16 123.15,18.34 122.99,18.54 122.84,18.75 122.72,18.98 122.62,19.23 122.55,19.48 122.51,19.74 122.49,20 122.5,20.26 122.53,20.52 122.6,20.78 122.69,21.03 122.81,21.27 122.95,21.49 123.11,21.7 123.3,21.89 123.5,22.06 123.72,22.21 123.96,22.34 124.21,22.44 124.47,22.51 124.73,22.56 125,22.57 125.27,22.57 125.54,22.53 125.8,22.46 126.05,22.37 126.3,22.25 126.53,22.1 126.74,21.94 126.94,21.75 127.11,21.54 127.27,21.31 127.39,21.07 127.5,20.81 127.57,20.55 127.62,20.28 127.64,20 127.63,19.72 127.59,19.45 127.52,19.18 127.42,18.92 127.3,18.67 127.15,18.44 126.98,18.22 126.79,18.02 126.57,17.84 126.34,17.68 126.09,17.55 125.83,17.44 125.56,17.37 125.28,17.32 125,17.3 124.73,17.31 124.47,17.34 124.21,17.41 123.96,17.49 123.72,17.6 123.49,17.74 123.27,17.89 123.07,18.07 122.89,18.26 122.72,18.48 122.58,18.71 122.46,18.95 122.37,19.2 122.3,19.46 122.25,19.73 122.24,20 122.25,20.27 122.28,20.54 122.35,20.81 122.43,21.06 122.55,21.31 122.68,21.55 122.84,21.77 123.02,21.98 123.23,22.16 123.44,22.33 123.68,22.47 123.92,22.6 124.18,22.69 124.45,22.76 124.72,22.81 125,22.82 125.28,22.82 125.55,22.78 125.82,22.71 126.09,22.62 126.34,22.51 126.58,22.37 126.81,22.2 127.02,22.02 127.21,21.81 127.38,21.59 127.53,21.35 127.65,21.1 127.75,20.83 127.82,20.56 127.87,20.28 127.89,20 127.88,19.72 127.84,19.44 127.77,19.16 127.68,18.89 127.56,18.63 127.42,18.38 127.25,18.15 127.06,17.94 126.85,17.74 126.63,17.57 126.38,17.42 126.12,17.29 125.85,17.19 125.57,17.11 125.29,17.07 125,17.05 124.73,17.06 124.46,17.09 124.19,17.15 123.93,17.24 123.68,17.34 123.44,17.47 123.21,17.63 122.99,17.8 122.8,17.99 122.62,18.2 122.46,18.43 122.32,18.67 122.2,18.92 122.11,19.18 122.05,19.45 122,19.72 121.99,20 122,20.28 122.03,20.55 122.09,20.83 122.18,21.09 122.29,21.35 122.42,21.6 122.58,21.83 122.75,22.05 122.95,22.25 123.16,22.43 123.39,22.6 123.64,22.74 123.89,22.85 124.16,22.95 124.44,23.02 124.72,23.06 125,23.07 125.28,23.07 125.57,23.03 125.84,22.97 126.12,22.88 126.38,22.77 126.63,22.63 126.87,22.47 127.09,22.29 127.3,22.09 127.48,21.88 127.65,21.64 127.79,21.39 127.91,21.13 128.01,20.86 128.08,20.58 128.12,20.29 128.14,20 128.13,19.71 128.09,19.42 128.03,19.14 127.94,18.86 127.83,18.59 127.69,18.34 127.52,18.09 127.34,17.87 127.14,17.66 126.91,17.47 126.67,17.3 126.42,17.15 126.15,17.03 125.87,16.93 125.59,16.86 125.29,16.82 125,16.8 124.72,16.81 124.44,16.84 124.17,16.9 123.9,16.98 123.64,17.08 123.39,17.21 123.15,17.36 122.93,17.53 122.72,17.72 122.52,17.92 122.35,18.14 122.19,18.38 122.06,18.63 121.95,18.89 121.86,19.16 121.79,19.43 121.75,19.72 121.74,20 121.75,20.28 121.78,20.57 121.84,20.85 121.92,21.12 122.03,21.39 122.16,21.64 122.31,21.89 122.48,22.11 122.67,22.33 122.88,22.53 123.11,22.7 123.35,22.86 123.6,23 123.87,23.11 124.14,23.2 124.42,23.27 124.71,23.31 125,23.32 125.29,23.32 125.58,23.28 125.86,23.22 126.14,23.14 126.41,23.03 126.67,22.9 126.92,22.74 127.16,22.57 127.37,22.37 127.57,22.16 127.75,21.93 127.92,21.68 128.05,21.42 128.17,21.15 128.26,20.87 128.33,20.59 128.37,20.29 128.39,20 128.38,19.7 128.34,19.41 128.28,19.12 128.2,18.84 128.09,18.56 127.95,18.3 127.79,18.04 127.62,17.8 127.42,17.58 127.2,17.38 126.96,17.19 126.71,17.03 126.45,16.89 126.18,16.77 125.89,16.68 125.6,16.61 125.3,16.57 125,16.55 124.71,16.56 124.43,16.59 124.15,16.65 123.88,16.72 123.61,16.83 123.35,16.95 123.1,17.09 122.86,17.26 122.64,17.44 122.44,17.64 122.25,17.86 122.08,18.09 121.93,18.34 121.8,18.6 121.69,18.86 121.6,19.14 121.54,19.42 121.5,19.71 121.49,20 121.5,20.29 121.53,20.58 121.59,20.86 121.67,21.14 121.77,21.42 121.89,21.68 122.04,21.93 122.21,22.17 122.39,22.4 122.6,22.61 122.82,22.8 123.06,22.97 123.31,23.13 123.57,23.26 123.84,23.37 124.12,23.46 124.41,23.52 124.71,23.56 125,23.57 125.3,23.57 125.59,23.53 125.88,23.48 126.17,23.39 126.44,23.29 126.71,23.16 126.97,23.01 127.21,22.84 127.44,22.65 127.65,22.44 127.85,22.22 128.03,21.98 128.18,21.72 128.32,21.45 128.43,21.18 128.52,20.89 128.58,20.6 128.62,20.3 128.64,20 128.63,19.7 128.59,19.4 128.54,19.1 128.45,18.81 128.35,18.53 128.22,18.26 128.06,18 127.89,17.75 127.7,17.52 127.49,17.3 127.26,17.1 127.01,16.92 126.75,16.76 126.48,16.63 126.2,16.51 125.91,16.42 125.61,16.36 125.31,16.32 125,16.3 124.71,16.31 124.42,16.34 124.13,16.39 123.85,16.47 123.58,16.57 123.31,16.69 123.06,16.83 122.81,16.99 122.58,17.17 122.36,17.36 122.16,17.57 121.98,17.8 121.81,18.05 121.66,18.3 121.54,18.57 121.43,18.84 121.35,19.12 121.29,19.41 121.25,19.71 121.24,20 121.25,20.3 121.28,20.59 121.33,20.88 121.41,21.17 121.51,21.45 121.63,21.72 121.77,21.98 121.94,22.23 122.12,22.46 122.32,22.68 122.53,22.89 122.77,23.07 123.01,23.24 123.27,23.39 123.54,23.52 123.82,23.63 124.11,23.71 124.4,23.77 124.7,23.81 125,23.82 125.3,23.82 125.6,23.78 125.9,23.73 126.19,23.65 126.47,23.55 126.75,23.42 127.01,23.28 127.26,23.11 127.5,22.93 127.73,22.73 127.93,22.51 128.12,22.27 128.3,22.02 128.45,21.76 128.58,21.48 128.69,21.2 128.77,20.91 128.83,20.61 128.87,20.3 128.89,20 128.88,19.69 128.85,19.39 128.79,19.09 128.71,18.79 128.61,18.51 128.48,18.23 128.33,17.96 128.17,17.7 127.98,17.46 127.77,17.23 127.55,17.02 127.31,16.82 127.05,16.65 126.78,16.5 126.51,16.37 126.22,16.26 125.92,16.17 125.62,16.1 125.31,16.07 125,16.05 124.7,16.06 124.41,16.09 124.12,16.14 123.83,16.21 123.55,16.31 123.28,16.43 123.01,16.56 122.76,16.72 122.52,16.89 122.29,17.08 122.08,17.29 121.88,17.51 121.7,17.75 121.54,18 121.4,18.27 121.28,18.54 121.18,18.82 121.1,19.11 121.04,19.4 121,19.7 120.99,20 121,20.3 121.03,20.6 121.08,20.89 121.15,21.19 121.25,21.47 121.37,21.75 121.51,22.02 121.67,22.27 121.84,22.52 122.04,22.75 122.25,22.97 122.48,23.17 122.72,23.35 122.97,23.51 123.24,23.66 123.52,23.78 123.8,23.88 124.1,23.96 124.39,24.02 124.7,24.06 125,24.07 125.3,24.07 125.61,24.04 125.91,23.98 126.2,23.91 126.49,23.81 126.78,23.69 127.05,23.55 127.31,23.39 127.56,23.21 127.79,23.01 128.01,22.79 128.21,22.56 128.4,22.32 128.57,22.06 128.71,21.79 128.84,21.51 128.94,21.22 129.03,20.92 129.09,20.62 129.12,20.31 129.14,20 129.13,19.69 129.1,19.38 129.04,19.08 128.97,18.78 128.87,18.48 128.74,18.2 128.6,17.92 128.44,17.66 128.26,17.4 128.05,17.17 127.84,16.94 127.6,16.74 127.35,16.55 127.09,16.38 126.81,16.23 126.53,16.1 126.23,16 125.93,15.91 125.63,15.85 125.31,15.81 125,15.8 124.7,15.81 124.4,15.84 124.11,15.89 123.81,15.96 123.53,16.05 123.25,16.16 122.98,16.3 122.72,16.45 122.47,16.62 122.23,16.8 122.01,17.01 121.8,17.23 121.61,17.46 121.43,17.71 121.28,17.97 121.14,18.24 121.02,18.52 120.92,18.8 120.84,19.1 120.79,19.39 120.75,19.7 120.74,20 120.75,20.3 120.78,20.61 120.83,20.91 120.9,21.2 120.99,21.49 121.11,21.78 121.24,22.05 121.4,22.32 121.57,22.57 121.76,22.81 121.96,23.04 122.19,23.25 122.42,23.44 122.67,23.62 122.94,23.78 123.21,23.92 123.49,24.04 123.78,24.14 124.08,24.22 124.39,24.28 124.69,24.31 125,24.32 125.31,24.32 125.62,24.29 125.92,24.23 126.22,24.16 126.52,24.07 126.8,23.95 127.08,23.81 127.35,23.66 127.61,23.48 127.85,23.29 128.08,23.08 128.29,22.85 128.49,22.61 128.67,22.36 128.83,22.09 128.98,21.82 129.1,21.53 129.2,21.23 129.28,20.93 129.34,20.62 129.37,20.31 129.39,20 129.38,19.69 129.35,19.37 129.3,19.07 129.22,18.76 129.12,18.46 129.01,18.17 128.87,17.89 128.71,17.62 128.53,17.36 128.34,17.11 128.12,16.88 127.9,16.66 127.65,16.46 127.39,16.28 127.12,16.11 126.84,15.97 126.55,15.84 126.25,15.74 125.94,15.66 125.63,15.6 125.32,15.56 125,15.55 124.05,15.55